# Altium PCB PCB1.PcbDoc (part 1 of 2) (continued)
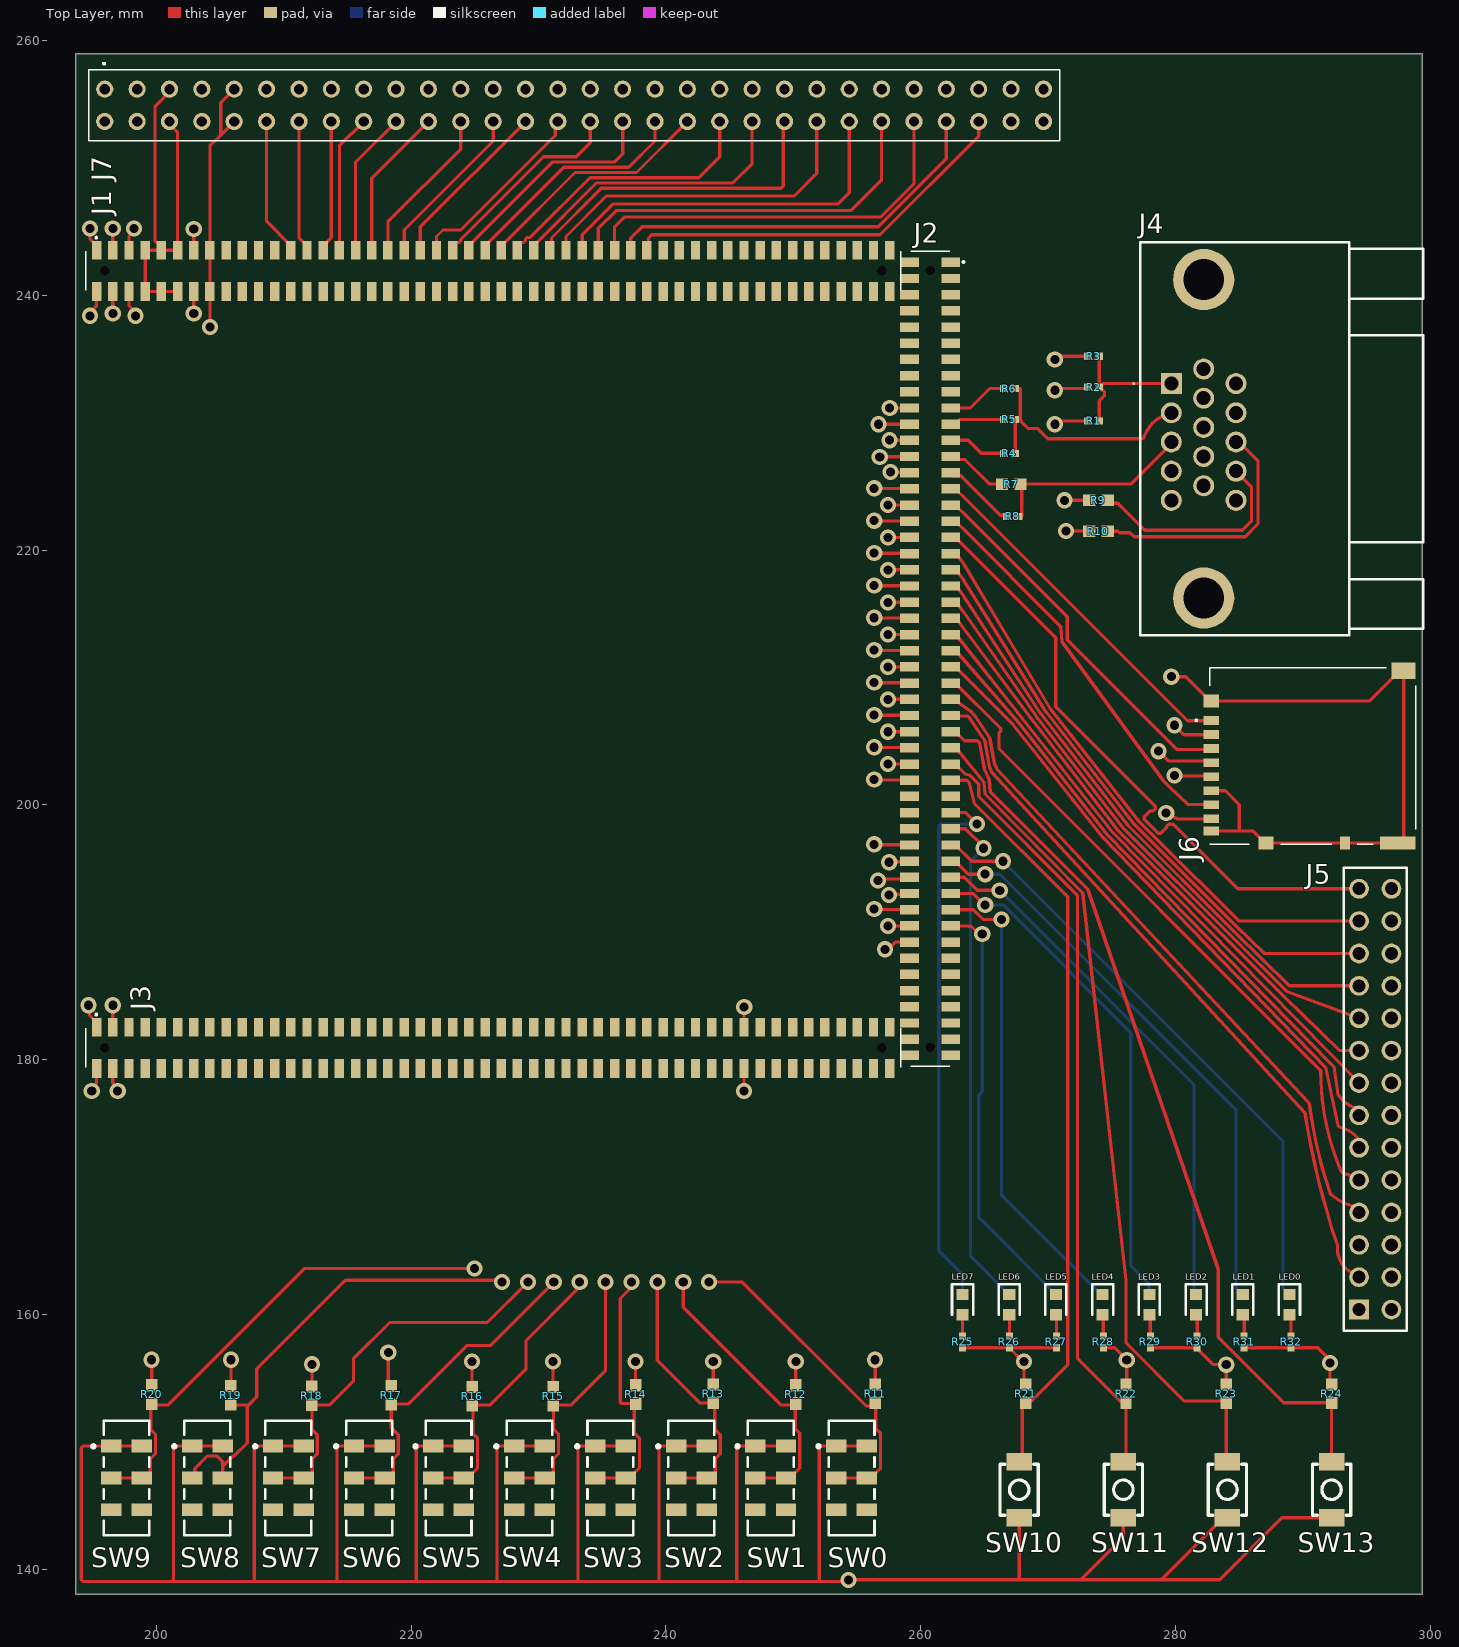
[diagram p0: Top Layer view]
## Design rules (kind name [scope] priority, off if disabled: settings)
Clearance [All] p1: gap=0.15 ignorepadtopadclearanceinfootprint=TRUE except(0.16: Arc-Arc Arc-Track Track-Track)
ComponentClearance [All] p1: gap=1.5 collisioncheckmode=3 verticalgap=1.5 showdistances=FALSE
PolygonConnect [All] p1: connectstyle=Relief reliefconductorwidth=0.254 reliefentries=4 polygonreliefangle="90 Angle" airgapwidth=0.254
RoutingVias [All] p1: holewidth=0.711 width=1.27 viastyle="Through Hole" minholewidth=0.711 minwidth=1.27 maxholewidth=0.711 maxwidth=1.27
SolderMaskExpansion [All] p1: expansion=0.102 istentingtop=FALSE
SupplyNets "Schematic Supply Nets_2" [InNet('VDD12')] p1: voltage=0.000
SupplyNets "Schematic Supply Nets_1" [InNet('VDD3.3')] p2: voltage=0.000
SupplyNets "Schematic Supply Nets" [InNet('GND')] p3: voltage=0.000
Width [All] p1: maxlimit=0.254 minlimit=0.254 preferedwidth=0.254
29 further rules are at their usual default settings.

## Classes and differential pairs
component class TS-1185-B-A-B-A1_TS-1185-B-A-B-A: SW?
component class BOARD_GPIO: J5 J7
component class SWITCHES: LED0 LED1 LED2 LED3 LED4 LED5 LED6 LED7 R11 R12 R13 R14 R15 R16 R17 R18 R19 R20 R21 R22 R23 R24 R25 R26 R27 R28 R29 R30 R31 R32 SW0 SW1 SW2 SW3 SW4 SW5 SW6 SW7 SW8 SW9 SW10 SW11 SW12 SW13
component class MICROSD: J6
component class VGA: J4 R1 R2 R3 R4 R5 R6 R7 R8 R9 R10
component class FPGA_GPIO: J1 J2 J3

## Components (designator, comment, footprint, x,y, rotation, side; value= is the part's Value field where it differs from the comment)
J1 "CLP-150-02-L-D-A" CLP-150-02-XXX-D-A#1 226.441,241.899 r180 top
J2 "CLP-150-02-L-D-A" CLP-150-02-XXX-D-A#2 260.731,211.46 r90 top
J3 "CLP-150-02-L-D-A" CLP-150-02-XXX-D-A#2 226.441,180.939 r180 top
J4 "L77HDE15SD1CH4FVGA" L77HDE15SD1CH4FVGA 279.654,233.057 r90 top
J5 "SSQ-114-01-G-D" SMTC-SSQ-114-01-X-D 294.386,160.401 r90 top
J6 "DM3AT-SF-PEJM5" DM3ATSFPEJM5 290.195,203.835 r90 top
J7 "CES-130-02-T-D" CES-130-XX-X-D 195.961,256.159 r180 top
LED0 "LTST-C190KRKT" LEDC1608X80N 288.925,160.782 r270 top
LED1 "LTST-C190KRKT" LEDC1608X80N 285.26,160.782 r270 top
LED2 "LTST-C190KRKT" LEDC1608X80N 281.595,160.782 r270 top
LED3 "LTST-C190KRKT" LEDC1608X80N 277.93,160.782 r270 top
LED4 "LTST-C190KRKT" LEDC1608X80N 274.266,160.782 r270 top
LED5 "LTST-C190KRKT" LEDC1608X80N 270.601,160.782 r270 top
LED6 "LTST-C190KRKT" LEDC1608X80N 266.936,160.782 r270 top
LED7 "LTST-C190KRKT" LEDC1608X80N 263.271,160.782 r270 top
R1 "0402WGF2001TCE" RES-0402 273.558,230.124 r0 top
R2 "0402WGF1001TCE" RES-0402 273.558,232.791 r0 top
R3 "0402WGF5100TCE" RES-0402 273.558,235.204 r0 top
R4 "0402WGF2001TCE" RES-0402 266.954,227.584 r0 top
R5 "0402WGF1001TCE" RES-0402 266.954,230.251 r0 top
R6 "0402WGF5100TCE" RES-0402 266.954,232.664 r0 top
R7 "0603WAF8200T5E" RES-0603 267.081,225.171 r0 top
R8 "0402WGF5100TCE" RES-0402 267.208,222.631 r0 top
R9 "0603WAF470JT5E" RES-0603 273.939,223.901 r0 top
R10 "0603WAF470JT5E" RES-0603 273.939,221.488 r0 top
R11 "0603WAF1002T5E" RES-0603 256.413,153.797 r90 top
R12 "0603WAF1002T5E" RES-0603 250.19,153.738 r90 top
R13 "0603WAF1002T5E" RES-0603 243.713,153.797 r90 top
R14 "0603WAF1002T5E" RES-0603 237.617,153.738 r90 top
R15 "0603WAF1002T5E" RES-0603 231.14,153.611 r90 top
R16 "0603WAF1002T5E" RES-0603 224.79,153.611 r90 top
R17 "0603WAF1002T5E" RES-0603 218.44,153.67 r90 top
R18 "0603WAF1002T5E" RES-0603 212.217,153.633 r90 top
R19 "0603WAF1002T5E" RES-0603 205.867,153.67 r90 top
R20 "0603WAF1002T5E" RES-0603 199.644,153.738 r90 top
R21 "0603WAF1002T5E" RES-0603 268.224,153.797 r90 top
R22 "0603WAF1002T5E" RES-0603 276.098,153.797 r90 top
R23 "0603WAF1002T5E" RES-0603 283.972,153.797 r90 top
R24 "0603WAF1002T5E" RES-0603 292.227,153.797 r90 top
R25 "0402WGF2000TCE" RES-0402 263.271,157.861 r90 top
R26 "0402WGF2000TCE" RES-0402 266.954,157.861 r90 top
R27 "0402WGF2000TCE" RES-0402 270.637,157.861 r90 top
R28 "0402WGF2000TCE" RES-0402 274.32,157.861 r90 top
R29 "0402WGF2000TCE" RES-0402 278.003,157.861 r90 top
R30 "0402WGF2000TCE" RES-0402 281.686,157.861 r90 top
R31 "0402WGF2000TCE" RES-0402 285.369,157.861 r90 top
R32 "0402WGF2000TCE" RES-0402 289.052,157.861 r90 top
SW0 "JS202011JCQN" FP-JS202011JCQN-MFG 254.565,147.193 r270 top
SW1 "JS202011JCQN" FP-JS202011JCQN-MFG 248.215,147.193 r270 top
SW2 "JS202011JCQN" FP-JS202011JCQN-MFG 241.992,147.193 r270 top
SW3 "JS202011JCQN" FP-JS202011JCQN-MFG 235.642,147.193 r270 top
SW4 "JS202011JCQN" FP-JS202011JCQN-MFG 229.292,147.193 r270 top
SW5 "JS202011JCQN" FP-JS202011JCQN-MFG 222.942,147.193 r270 top
SW6 "JS202011JCQN" FP-JS202011JCQN-MFG 216.719,147.193 r270 top
SW7 "JS202011JCQN" FP-JS202011JCQN-MFG 210.369,147.193 r270 top
SW8 "JS202011JCQN" FP-JS202011JCQN-MFG 204.019,147.193 r270 top
SW9 "JS202011JCQN" FP-JS202011JCQN-MFG 197.669,147.193 r270 top
SW10 "TS-1185-B-A-B-A" TS-1185-B-A-B-A 284.897,132.212 r90 top
SW11 "TS-1185-B-A-B-A" TS-1185-B-A-B-A 293.067,132.212 r90 top
SW12 "TS-1185-B-A-B-A" TS-1185-B-A-B-A 301.238,132.212 r90 top
SW13 "TS-1185-B-A-B-A" TS-1185-B-A-B-A 309.408,132.212 r90 top

## Footprints (in the part's own frame and the unit in brackets; to place one, negate y for a bottom-side part, rotate by r counter-clockwise, add the part's x,y. Pads: shape width x height; smd on the part's side, far side on the other; paste and mask are expansions set on the pad)
CES-130-XX-X-D [mm]
  round 1.35 hole 0.81: 1(0,0) 2(0,2.54) 3(-2.54,0) 4(-2.54,2.54) 5(-5.08,0) 6(-5.08,2.54) 7(-7.62,0) 8(-7.62,2.54) 9(-10.16,0) 10(-10.16,2.54) 11(-12.7,0) 12(-12.7,2.54) 13(-15.24,0) 14(-15.24,2.54) 15(-17.78,0) 16(-17.78,2.54) 17(-20.32,0) 18(-20.32,2.54) 19(-22.86,0) 20(-22.86,2.54) 21(-25.4,0) 22(-25.4,2.54) 23(-27.94,0) 24(-27.94,2.54) 25(-30.48,0) 26(-30.48,2.54) 27(-33.02,0) 28(-33.02,2.54) 29(-35.56,0) 30(-35.56,2.54) 31(-38.1,0) 32(-38.1,2.54) 33(-40.64,0) 34(-40.64,2.54) 35(-43.18,0) 36(-43.18,2.54) 37(-45.72,0) 38(-45.72,2.54) 39(-48.26,0) 40(-48.26,2.54) 41(-50.8,0) 42(-50.8,2.54) 43(-53.34,0) 44(-53.34,2.54) 45(-55.88,0) 46(-55.88,2.54) 47(-58.42,0) 48(-58.42,2.54) 49(-60.96,0) 50(-60.96,2.54) 51(-63.5,0) 52(-63.5,2.54) 53(-66.04,0) 54(-66.04,2.54) 55(-68.58,0) 56(-68.58,2.54) 57(-71.12,0) 58(-71.12,2.54) 59(-73.66,0) 60(-73.66,2.54)
  silkscreen extent -74.93,-2.05 1.27,4.07, body extent -74.88,-1.61 1.32,3.97, height 4.02
CLP-150-02-XXX-D-A#1 [mm]
  rect 0.74x1.47 smd: 1(31.115,-1.615) 2(31.115,1.615) 3(29.845,-1.615) 4(29.845,1.615) 5(28.575,-1.615) 6(28.575,1.615) 7(27.305,-1.615) 8(27.305,1.615) 9(26.035,-1.615) 10(26.035,1.615) 11(24.765,-1.615) 12(24.765,1.615) 13(23.495,-1.615) 14(23.495,1.615) 15(22.225,-1.615) 16(22.225,1.615) 17(20.955,-1.615) 18(20.955,1.615) 19(19.685,-1.615) 20(19.685,1.615) 21(18.415,-1.615) 22(18.415,1.615) 23(17.145,-1.615) 24(17.145,1.615) 25(15.875,-1.615) 27(14.605,-1.615) 29(13.335,-1.615) 31(12.065,-1.615) 33(10.795,-1.615) 35(9.525,-1.615) 37(8.255,-1.615) 39(6.985,-1.615) 41(5.715,-1.615) 43(4.445,-1.615) 45(3.175,-1.615) 47(1.905,-1.615) 49(0.635,-1.615) 51(-0.635,-1.615) 53(-1.905,-1.615) 55(-3.175,-1.615) 57(-4.445,-1.615) 59(-5.715,-1.615) 61(-6.985,-1.615) 63(-8.255,-1.615) 65(-9.525,-1.615) 67(-10.795,-1.615) 69(-12.065,-1.615) 71(-13.335,-1.615) 72(-13.335,1.615) 73(-14.605,-1.615) 74(-14.605,1.615) 75(-15.875,-1.615) 76(-15.875,1.615) 77(-17.145,-1.615) 78(-17.145,1.615) 79(-18.415,-1.615) 80(-18.415,1.615) 81(-19.685,-1.615) 82(-19.685,1.615) 83(-20.955,-1.615) 84(-20.955,1.615) 85(-22.225,-1.615) 86(-22.225,1.615) 87(-23.495,-1.615) 88(-23.495,1.615) 89(-24.765,-1.615) 90(-24.765,1.615) 91(-26.035,-1.615) 92(-26.035,1.615) 93(-27.305,-1.615) 94(-27.305,1.615) 95(-28.575,-1.615) 96(-28.575,1.615) 97(-29.845,-1.615) 98(-29.845,1.615) 99(-31.115,-1.615) 100(-31.115,1.615)
  rect 0.74x1.47 all layers, no hole: 26(15.875,1.615) 28(14.605,1.615) 30(13.335,1.615) 32(12.065,1.615) 34(10.795,1.615) 36(9.525,1.615) 38(8.255,1.615) 40(6.985,1.615) 42(5.715,1.615) 44(4.445,1.615) 46(3.175,1.615) 48(1.905,1.615) 50(0.635,1.615) 52(-0.635,1.615) 54(-1.905,1.615) 56(-3.175,1.615) 58(-4.445,1.615) 60(-5.715,1.615) 62(-6.985,1.615) 64(-8.255,1.615) 66(-9.525,1.615) 68(-10.795,1.615) 70(-12.065,1.615)
  round 0.37 hole 0.74 unplated: 101(30.475,0) 102(-30.475,0)
  silkscreen extent -31.96,-2.66 31.96,1.52, body extent -31.97,-2.28 31.97,2.28, height 2.47
CLP-150-02-XXX-D-A#2 [mm]
  rect 0.74x1.47 smd: 1(31.115,-1.615) 2(31.115,1.615) 3(29.845,-1.615) 4(29.845,1.615) 5(28.575,-1.615) 6(28.575,1.615) 7(27.305,-1.615) 8(27.305,1.615) 9(26.035,-1.615) 10(26.035,1.615) 11(24.765,-1.615) 12(24.765,1.615) 13(23.495,-1.615) 14(23.495,1.615) 15(22.225,-1.615) 16(22.225,1.615) 17(20.955,-1.615) 18(20.955,1.615) 19(19.685,-1.615) 20(19.685,1.615) 21(18.415,-1.615) 22(18.415,1.615) 23(17.145,-1.615) 24(17.145,1.615) 25(15.875,-1.615) 26(15.875,1.615) 27(14.605,-1.615) 28(14.605,1.615) 29(13.335,-1.615) 30(13.335,1.615) 31(12.065,-1.615) 32(12.065,1.615) 33(10.795,-1.615) 34(10.795,1.615) 35(9.525,-1.615) 36(9.525,1.615) 37(8.255,-1.615) 38(8.255,1.615) 39(6.985,-1.615) 40(6.985,1.615) 41(5.715,-1.615) 42(5.715,1.615) 43(4.445,-1.615) 44(4.445,1.615) 45(3.175,-1.615) 46(3.175,1.615) 47(1.905,-1.615) 48(1.905,1.615) 49(0.635,-1.615) 50(0.635,1.615) 51(-0.635,-1.615) 52(-0.635,1.615) 53(-1.905,-1.615) 54(-1.905,1.615) 55(-3.175,-1.615) 56(-3.175,1.615) 57(-4.445,-1.615) 58(-4.445,1.615) 59(-5.715,-1.615) 60(-5.715,1.615) 61(-6.985,-1.615) 62(-6.985,1.615) 63(-8.255,-1.615) 64(-8.255,1.615) 65(-9.525,-1.615) 66(-9.525,1.615) 67(-10.795,-1.615) 68(-10.795,1.615) 69(-12.065,-1.615) 70(-12.065,1.615) 71(-13.335,-1.615) 72(-13.335,1.615) 73(-14.605,-1.615) 74(-14.605,1.615) 75(-15.875,-1.615) 76(-15.875,1.615) 77(-17.145,-1.615) 78(-17.145,1.615) 79(-18.415,-1.615) 80(-18.415,1.615) 81(-19.685,-1.615) 82(-19.685,1.615) 83(-20.955,-1.615) 84(-20.955,1.615) 85(-22.225,-1.615) 86(-22.225,1.615) 87(-23.495,-1.615) 88(-23.495,1.615) 89(-24.765,-1.615) 90(-24.765,1.615) 91(-26.035,-1.615) 92(-26.035,1.615) 93(-27.305,-1.615) 94(-27.305,1.615) 95(-28.575,-1.615) 96(-28.575,1.615) 97(-29.845,-1.615) 98(-29.845,1.615) 99(-31.115,-1.615) 100(-31.115,1.615)
  round 0.37 hole 0.74 unplated: 101(30.475,0) 102(-30.475,0)
  silkscreen extent -31.97,-2.67 31.97,1.53, body extent -31.97,-2.28 31.97,2.28, height 2.47
DM3ATSFPEJM5 [mm]
  rect 0.7x1.2 smd: 1(2.775,7.412) 2(1.675,7.412) 3(0.575,7.412) 4(-0.525,7.412) 5(-1.625,7.412) 6(-2.725,7.412) 7(-3.825,7.412) 8(-4.925,7.412) MP2(-5.875,7.412)
  rect 1x1.2 smd: MP1(4.325,7.412) MP3(-6.825,3.112)
  rect 1x0.8 smd: MP4(-6.825,-3.087)
  rect 1x2.8 smd: MP5(-6.825,-7.237)
  rect 1.3x1.9 smd: MP6(6.675,-7.688)
  silkscreen extent -6.93,-8.64 6.93,8.64, body extent -6.98,-8.65 6.97,7.51, height 1.68
FP-JS202011JCQN-MFG [mm]
  rect 1x1.6 smd paste+0 mask+0: 1(-2.5,-1.2) 2(0,-1.2) 3(2.5,-1.2) 5(-2.5,1.2) 6(0,1.2) 7(2.5,1.2)
  silkscreen extent -4.5,-2.72 4.5,1.8, body extent -4.5,-1.8 4.5,1.8, height 5.6
L77HDE15SD1CH4FVGA [mm]
  rect 1.65x1.65 hole 1.1: 1(0,0)
  round 1.65 hole 1.1: 2(-2.29,0) 3(-4.58,0) 4(-6.87,0) 5(-9.16,0) 6(1.145,-2.54) 7(-1.145,-2.54) 8(-3.435,-2.54) 9(-5.725,-2.54) 10(-8.015,-2.54) 11(0,-5.08) 12(-2.29,-5.08) 13(-4.58,-5.08) 14(-6.87,-5.08) 15(-9.16,-5.08)
  round 4.8 hole 3.2: MH1(8.165,-2.54) MH2(-16.825,-2.54)
  silkscreen extent -19.74,-19.77 11.07,3, body extent -19.73,-19.89 11.08,2.21, height 12.48
LEDC1608X80N [mm]
  rect 0.9x0.95 all layers, no hole: 1(-0.8,0)
  rect 0.9x0.95 smd: 2(0.8,0)
  silkscreen extent -1.6,-0.82 0.8,0.82, body extent -0.83,-0.4 0.77,0.4, height 0.8
RES-0402 [mm] "Chip Resistor, 2-Leads, Body 1.00x0.50mm, IPC Medium Density"
  rect 0.6x0.55 smd: 1(-0.45,0) 2(0.45,0)
  body extent -0.55,-0.27 0.55,0.28, height 0.4
RES-0603 [mm] "Chip Resistor, 2-Leads, Body 1.60x0.80mm, IPC Medium Density"
  rect 0.95x0.9 smd: 1(-0.725,0) 2(0.725,0)
  body extent -0.85,-0.45 0.85,0.45, height 0.55
SMTC-SSQ-114-01-X-D [mm] "SQ Post Socket, 2x14 Pins, Vertical, 2.54mm Pitch, Female"
  rect 1.55x1.55 hole 1.02: 1(0,0)
  round 1.55 hole 1.02: 2(0,-2.54) 3(2.54,0) 4(2.54,-2.54) 5(5.08,0) 6(5.08,-2.54) 7(7.62,0) 8(7.62,-2.54) 9(10.16,0) 10(10.16,-2.54) 11(12.7,0) 12(12.7,-2.54) 13(15.24,0) 14(15.24,-2.54) 15(17.78,0) 16(17.78,-2.54) 17(20.32,0) 18(20.32,-2.54) 19(22.86,0) 20(22.86,-2.54) 21(25.4,0) 22(25.4,-2.54) 23(27.94,0) 24(27.94,-2.54) 25(30.48,0) 26(30.48,-2.54) 27(33.02,0) 28(33.02,-2.54)
  silkscreen extent -1.65,-3.74 34.67,1.2, body extent -1.52,-3.75 34.54,1.21, height 8.51
TS-1185-B-A-B-A [mm]
  rect 1.35x2 smd: 1(11.851,17.181) 2(16.251,17.181)
  silkscreen extent 12.05,15.68 16.05,18.68

## Part data
J1 J2 J3 J7: "Connector", Manufacturer_Name=SAMTEC
  J1 J2 J3: Datasheet Link=http://suddendocs.samtec.com/prints/erm8-xxx-xx.x-xxx-dv-xxxx-xx-mkt.pdf, Height=2.37mm, Manufacturer_Part_Number=CLP-150-02-L-D-A
  J7: Datasheet Link=http://suddendocs.samtec.com/prints/ces-1xx-xx-x-d%20-mkt.pdf, Manufacturer_Part_Number=CES-130-02-T-D
J4: "Connector", Manufacturer_Name="Amphenol Communications Solutions", Mouser Part Number=523-7HDE15SD1CH4FVGA, Arrow Part Number=L77HDE15SD1CH4FVGA, Arrow Price/Stock=https://www.arrow.com/en/products/l77hde15sd1ch4fvga/amphenol-fci?region=nac, Datasheet Link=https://cdn.amphenol-cs.com/media/wysiwyg/files/drawing/l77hde15sd1ch4fvga.pdf, Height=12.85mm, Manufacturer_Part_Number=L77HDE15SD1CH4FVGA, Mouser Price/Stock=https://www.mouser.co.uk/ProductDetail/Amphenol-Commercial-Products/L77HDE15SD1CH4FVGA?qs=ToP8pWlZ0bNtQSp9f8k5Rw%3D%3D
J5: library part CMP-1023-00305-1, "SQ Post Socket, Through-hole, Vertical, -55 to 125 degC, 2.54 mm Pitch, 28-Pin, Female, RoHS", Manufacturer=Samtec, Temperature Range="-55 to 125 degC", ComponentLink1Description="Manufacturer URL", ComponentLink1URL=http://www.samtec.com, ComponentLink2Description=Datasheet, ComponentLink2URL=http://www.samtec.com/documents/webfiles/pdf/SSQ_TH.PDF, ComponentLink3Description="Package Specification", ComponentLink3URL=http://www.samtec.com/documents/webfiles/cpdf/SSQ-1XX-XX-XXX-X-XX-XXX-XX-X-MKT.pdf, DatasheetVersion=F-214, Mounting Technology=Through-hole, Orientation=Vertical, PackageDescription="Assembly, Socket Strip .025[0.64] SQ Tail", PackageReference=SSQ-114-01-X-D, PackageVersion="BD, 6/1987", PartNumber=SSQ-114-01-G-D, Pitch="2.54 mm", RoHS=True
J6: "Connector", Manufacturer_Name=Hirose, Mouser Part Number=798-DM3AT-SF-PEJM5, Datasheet Link=https://datasheet.lcsc.com/szlcsc/Hirose-HRS-DM3AT-SF-PEJM5_C114218.pdf, Height=1.83mm, Manufacturer_Part_Number=DM3AT-SF-PEJM5, Mouser Price/Stock=https://www.mouser.co.uk/ProductDetail/Hirose-Connector/DM3AT-SF-PEJM5?qs=LZSZKJVF%252B2WTDKp%252BR7IYAQ%3D%3D
LED0 LED1 LED2 LED3 LED4 LED5 LED6 LED7: "LED", Manufacturer_Name=Lite-On, Mouser Part Number=859-LTST-C190KRKT, Arrow Part Number=LTST-C190KRKT, Arrow Price/Stock=https://www.arrow.com/en/products/ltst-c190krkt/lite-on-technology?utm_currency=USD&region=europe, Datasheet Link=https://componentsearchengine.com/Datasheets/1/LTST-C190KRKT.pdf, Height=0.8mm, Manufacturer_Part_Number=LTST-C190KRKT, Mouser Price/Stock=https://www.mouser.co.uk/ProductDetail/LITEON/LTST-C190KRKT?qs=kAD5fFa1n5VY3YYNWPC1Fg%3D%3D
R1 R4: "Resistor, 2kΩ, ±1%, 62.5mW, 50V, ±100ppm/℃, -55℃~+155℃, SMD 0402", JLCPCB Basic Part=Yes, JLCPCB Part Number=C4109, Manufacturer=Uniroyal, Package Size=0402, Power Rating=62.5mW, Resistance=2kΩ, Temperature Coefficient=±100ppm/℃, Temperature Rating=-55℃~+155℃, Tolerance=±1%, Voltage Rating=50V, Category=Resistors, ComponentLink1Description=Datasheet, ComponentLink1URL=https://wmsc.lcsc.com/wmsc/upload/file/pdf/v2/lcsc/2206010230_UNI-ROYAL-Uniroyal-Elec-0402WGF2001TCE_C4109.pdf, ComponentLink2Description="JLCPCB Part URL", ComponentLink2URL=https://jlcpcb.com/partdetail/C4109, Manufacturer Part Number=0402WGF2001TCE, Supplier 1=LCSC, Supplier Part Number 1=C4109
R2 R5: "Resistor, 1kΩ, ±1%, 62.5mW, 50V, ±100ppm/℃, -55℃~+155℃, SMD 0402", JLCPCB Basic Part=Yes, JLCPCB Part Number=C11702, Manufacturer=Uniroyal, Package Size=0402, Power Rating=62.5mW, Resistance=1kΩ, Temperature Coefficient=±100ppm/℃, Temperature Rating=-55℃~+155℃, Tolerance=±1%, Voltage Rating=50V, Category=Resistors, ComponentLink1Description=Datasheet, ComponentLink1URL=https://wmsc.lcsc.com/wmsc/upload/file/pdf/v2/lcsc/2206010216_UNI-ROYAL-Uniroyal-Elec-0402WGF1001TCE_C11702.pdf, ComponentLink2Description="JLCPCB Part URL", ComponentLink2URL=https://jlcpcb.com/partdetail/C11702, Manufacturer Part Number=0402WGF1001TCE, Supplier 1=LCSC, Supplier Part Number 1=C11702
R3 R6 R8: "Resistor, 510Ω, ±1%, 62.5mW, 50V, ±100ppm/℃, -55℃~+155℃, SMD 0402", JLCPCB Basic Part=Yes, JLCPCB Part Number=C25123, Manufacturer=Uniroyal, Package Size=0402, Power Rating=62.5mW, Resistance=510Ω, Temperature Coefficient=±100ppm/℃, Temperature Rating=-55℃~+155℃, Tolerance=±1%, Voltage Rating=50V, Category=Resistors, ComponentLink1Description=Datasheet, ComponentLink1URL=https://wmsc.lcsc.com/wmsc/upload/file/pdf/v2/lcsc/2205311900_UNI-ROYAL-Uniroyal-Elec-0402WGF5100TCE_C25123.pdf, ComponentLink2Description="JLCPCB Part URL", ComponentLink2URL=https://jlcpcb.com/partdetail/C25123, Manufacturer Part Number=0402WGF5100TCE, Supplier 1=LCSC, Supplier Part Number 1=C25123
R7: "Resistor, 820Ω, ±1%, 100mW, 75V, ±100ppm/℃, -55℃~+155℃, SMD 0603", JLCPCB Basic Part=Yes, JLCPCB Part Number=C23253, Manufacturer=Uniroyal, Package Size=0603, Power Rating=100mW, Resistance=820Ω, Temperature Coefficient=±100ppm/℃, Temperature Rating=-55℃~+155℃, Tolerance=±1%, Voltage Rating=75V, Category=Resistors, ComponentLink1Description=Datasheet, ComponentLink1URL=https://wmsc.lcsc.com/wmsc/upload/file/pdf/v2/lcsc/2206010100_UNI-ROYAL-Uniroyal-Elec-0603WAF8200T5E_C23253.pdf, ComponentLink2Description="JLCPCB Part URL", ComponentLink2URL=https://jlcpcb.com/partdetail/C23253, Manufacturer Part Number=0603WAF8200T5E, Supplier 1=LCSC, Supplier Part Number 1=C23253
R9 R10: "Resistor, 47Ω, ±1%, 100mW, 75V, ±100ppm/℃, -55℃~+155℃, SMD 0603", JLCPCB Basic Part=Yes, JLCPCB Part Number=C23182, Manufacturer=Uniroyal, Package Size=0603, Power Rating=100mW, Resistance=47Ω, Temperature Coefficient=±100ppm/℃, Temperature Rating=-55℃~+155℃, Tolerance=±1%, Voltage Rating=75V, Category=Resistors, ComponentLink1Description=Datasheet, ComponentLink1URL=https://wmsc.lcsc.com/wmsc/upload/file/pdf/v2/lcsc/2206010116_UNI-ROYAL-Uniroyal-Elec-0603WAF470JT5E_C23182.pdf, ComponentLink2Description="JLCPCB Part URL", ComponentLink2URL=https://jlcpcb.com/partdetail/C23182, Manufacturer Part Number=0603WAF470JT5E, Supplier 1=LCSC, Supplier Part Number 1=C23182
R11 R12 R13 R14 R15 R16 R17 R18 R19 R20 R21 R22 R23 R24: "Resistor, 10kΩ, ±1%, 100mW, 75V, ±100ppm/℃, -55℃~+155℃, SMD 0603", JLCPCB Basic Part=Yes, JLCPCB Part Number=C25804, Manufacturer=Uniroyal, Package Size=0603, Power Rating=100mW, Resistance=10kΩ, Temperature Coefficient=±100ppm/℃, Temperature Rating=-55℃~+155℃, Tolerance=±1%, Voltage Rating=75V, Category=Resistors, ComponentLink1Description=Datasheet, ComponentLink1URL=https://wmsc.lcsc.com/wmsc/upload/file/pdf/v2/lcsc/2206010045_UNI-ROYAL-Uniroyal-Elec-0603WAF1002T5E_C25804.pdf, ComponentLink2Description="JLCPCB Part URL", ComponentLink2URL=https://jlcpcb.com/partdetail/C25804, Manufacturer Part Number=0603WAF1002T5E, Supplier 1=LCSC, Supplier Part Number 1=C25804
R25 R26 R27 R28 R29 R30 R31 R32: "Resistor, 200Ω, ±1%, 62.5mW, 50V, ±100ppm/℃, -55℃~+155℃, SMD 0402", JLCPCB Basic Part=Yes, JLCPCB Part Number=C25087, Manufacturer=Uniroyal, Package Size=0402, Power Rating=62.5mW, Resistance=200Ω, Temperature Coefficient=±100ppm/℃, Temperature Rating=-55℃~+155℃, Tolerance=±1%, Voltage Rating=50V, Category=Resistors, ComponentLink1Description=Datasheet, ComponentLink1URL=https://wmsc.lcsc.com/wmsc/upload/file/pdf/v2/lcsc/2205311900_UNI-ROYAL-Uniroyal-Elec-0402WGF2000TCE_C25087.pdf, ComponentLink2Description="JLCPCB Part URL", ComponentLink2URL=https://jlcpcb.com/partdetail/C25087, Manufacturer Part Number=0402WGF2000TCE, Supplier 1=LCSC, Supplier Part Number 1=C25087
SW0 SW1 SW2 SW3 SW4 SW5 SW6 SW7 SW8 SW9: library part CMP-10038-000009-1, "SWITCH SLIDE DPDT 300MA 6V", Current Rating=300mA, Max Operating Temperature=85°C, Min Operating Temperature=-40°C, Voltage Rating (DC)=6V, Actuator Length=2mm, Actuator Material=Nylon, Actuator Type=Standard, Contact Material="Copper Alloy", Contact Plating=Silver, Electrical Life=5000Cycles, Mount="Surface Mount", Packaging="Cut Tape", Switch Function=On-On, Switch Travel=2mm, Throw Configuration=DPDT
SW10 SW11 SW12 SW13: Actuator/Cap Color=Black, Contact Current=50mA, Insulation Resistance=-, JLCPCB Part Class="Extended Part", LCSC Part Name="4*3*2mm 立贴 轻触开关", Manufacturer="XKB Connectivity(中国星坤)", Operating Force=160gf, Operating Temperature=-30℃~+85℃, Voltage Rating (DC)=12V, Actuator Style="Round Button", Add into BOM=yes, Circuit=SPST, Convert to PCB=yes, Datasheet=https://atta.szlcsc.com/upload/public/pdf/source/20211011/C2F26DC0AE1820400F54DBF49644F5A1.pdf, Device=TS-1185-B-A-B-A, Manufacturer Part=TS-1185-B-A-B-A, Mechanical Life=10万次, Mounting Style="Brick nogging", Strike Gundam=不带, Supplier=LCSC, Supplier Footprint=SMD, Supplier Part=C561517, Switch Height=2mm, Switch Length=4mm, Switch Width=3mm, Symbol=TS-1185-B-A-B-A, With Lamp=No

## Via types
v1: diameter 1.27, hole 0.711, Top Layer to Bottom Layer, 89 vias

## Nets (pads, with @x,y where several pads share a name; then routed paths per layer and width w, separated by ;. In a path a pad name is that pad's centre, name@x,y a point inside that pad or via, vN(x,y) a via of type N, cw(c..) or ccw(c..) an arc to the next point about the centre after c; other vN are vias at no path point)
64_L1_N: J1.40 J7.25 | length 18.8
  Mid-Layer 1 w0.254: J1.40@219.456,240.284 219.456,240.649 224.853,246.046 224.853,253.377 226.441,254.965 J7.25@226.441,256.159
64_L1_P: J1.39 J7.26 | length 13
  Top Layer w0.254: J1.39@219.456,243.514 219.456,245.108 226.441,252.093 J7.26@226.441,253.619
64_L2_N: J1.47 J7.34 | length 18
  Top Layer w0.254: J1.47@224.536,243.514 224.536,243.879 231.109,250.452 235.974,250.452 236.601,251.079 J7.34@236.601,253.619
64_L2_P: J1.48 J7.33 | length 20.9
  Mid-Layer 1 w0.254: J1.48@224.536,240.284 224.536,240.649 235.013,251.126 235.013,253.377 236.601,254.965 J7.33@236.601,256.159
64_L3_N: J1.46 J7.31 | length 20.3
  Mid-Layer 1 w0.254: J1.46@223.266,240.284 223.266,240.649 232.473,249.856 232.473,253.377 234.061,254.965 J7.31@234.061,256.159
64_L3_P: J1.45 J7.32 | length 16.2
  Top Layer w0.254: J1.45@223.266,243.514 223.266,243.879 223.509,244.122 223.74,244.122 223.889,244.271 223.889,244.364 230.391,250.866 232.959,250.866 234.061,251.968 J7.32@234.061,253.619
64_L4_N: J1.38 J7.23 | length 18.2
  Mid-Layer 1 w0.254: J1.38@218.186,240.284 218.186,240.649 222.313,244.776 222.313,253.377 223.901,254.965 J7.23@223.901,256.159
64_L4_P: J1.37 J7.24 | length 12.5
  Top Layer w0.254: J1.37@218.186,243.514 218.186,245.743 223.901,251.458 J7.24@223.901,253.619
64_L5_N: J1.49 J7.36 | length 18.6
  Top Layer w0.254: J1.49@225.806,243.514 225.806,243.879 231.965,250.038 237.084,250.038 239.141,252.095 J7.36@239.141,253.619
64_L5_P: J1.50 J7.35 | length 21.4
  Mid-Layer 1 w0.254: J1.50@225.806,240.284 225.806,240.649 237.553,252.396 237.553,253.377 239.141,254.965 J7.35@239.141,256.159
64_L6_N: J1.35 J7.22 | length 11.9
  Top Layer w0.254: J1.35@216.916,243.514 216.916,249.174 J7.22@221.361,253.619
64_L6_P: J1.36 J7.21 | length 17.7
  Mid-Layer 1 w0.254: J1.36@216.916,240.284 216.916,240.649 219.773,243.506 219.773,253.377 221.361,254.965 J7.21@221.361,256.159
64_L7_N: J1.56 J7.41 | length 24.7
  Mid-Layer 1 w0.254: J1.56@229.616,240.284 229.616,240.649 235.836,246.869 237.206,246.869 237.236,246.899 238.848,246.899 245.173,253.225 245.173,254.19 246.551,255.568 246.551,255.949 J7.41@246.761,256.159
64_L7_P: J1.55 J7.42 | length 23.5
  Top Layer w0.254: J1.55@229.616,243.514 229.616,243.879 234.533,248.796 245.24,248.796 246.761,250.317 J7.42@246.761,253.619
64_L9_N: J1.53 J7.40 | length 21.9
  Top Layer w0.254: J1.53@228.346,243.514 228.346,243.879 228.589,244.122 228.82,244.122 228.969,244.271 228.969,244.364 229.131,244.526 229.358,244.526 234.042,249.21 242.56,249.21 244.221,250.871 J7.40@244.221,253.619
64_L9_P: J1.54 J7.39 | length 23.5
  Mid-Layer 1 w0.254: J1.54@228.346,240.284 228.346,240.649 234.98,247.283 236.692,247.283 243.043,253.635 243.043,253.788 244.221,254.965 J7.39@244.221,256.159
64_L11_N: J1.58 J7.43 | length 26.8
  Mid-Layer 1 w0.254: J1.58@230.886,240.284 230.886,240.649 236.692,246.455 237.377,246.455 237.407,246.485 242.294,246.485 248.349,252.54 248.349,254.422 249.201,255.274 249.201,256.059 J7.43@249.301,256.159
64_L11_P: J1.57 J7.44 | length 26
  Top Layer w0.254: J1.57@230.886,243.514 231.019,243.647 231.019,244.481 234.92,248.382 249.017,248.382 249.196,248.561 249.196,253.514 J7.44@249.301,253.619
64_L12_N: J1.52 J7.37 | length 22.2
  Mid-Layer 1 w0.254: J1.52@227.076,240.284 227.076,240.649 233.485,247.058 233.927,247.058 240.093,253.225 240.093,253.377 241.681,254.965 J7.37@241.681,256.159
64_L12_P: J1.51 J7.38 | length 19
  Top Layer w0.254: J1.51@227.076,243.514 227.076,243.879 227.319,244.122 227.358,244.122 232.86,249.624 237.686,249.624 J7.38@241.681,253.619
64_L13_N: J1.71
64_L13_P: J1.72
64_L14_N: J1.73
64_L14_P: J1.74
64_L15_N: J1.61 J7.48 | length 29.1
  Top Layer w0.254: J1.61@233.426,243.514 233.426,244.729 235.839,247.142 253.492,247.142 254.381,248.031 J7.48@254.381,253.619
64_L15_P: J1.62 J7.47 | length 28.5
  Mid-Layer 1 w0.254: J1.62@233.426,240.284 233.426,240.649 238.434,245.657 245.226,245.657 253.203,253.635 253.203,253.788 254.381,254.965 J7.47@254.381,256.159
64_L16_N: J1.67 J7.54 | length 31.2
  Top Layer w0.254: J1.67@237.236,243.514 237.242,243.52 237.242,244.481 238.125,245.364 256.667,245.364 262.001,250.698 J7.54@262.001,253.619
64_L16_P: J1.68 J7.53 | length 32.5
  Mid-Layer 1 w0.254: J1.68@237.236,240.284 237.236,240.649 241.002,244.415 251.908,244.415 260.731,253.238 260.731,254.889 J7.53@262.001,256.159
64_L17_N: J1.66 J7.51 | length 31.1
  Mid-Layer 1 w0.254: J1.66@235.966,240.284 235.966,240.649 240.146,244.829 249.478,244.829 258.105,253.457 258.105,254.803 J7.51@259.461,256.159
64_L17_P: J1.65 J7.52 | length 31.6
  Top Layer w0.254: J1.65@235.966,243.514 235.966,245.364 236.728,246.126 256.836,246.126 259.461,248.751 J7.52@259.461,253.619
64_L18_N: J1.75
64_L18_P: J1.76
64_L19_N: J1.33 J7.20 | length 11.4
  Top Layer w0.254: J1.33@215.646,243.514 215.646,250.444 J7.20@218.821,253.619
64_L19_P: J1.34 J7.19 | length 17.2
  Mid-Layer 1 w0.254: J1.34@215.646,240.284 215.646,240.649 217.25,242.253 217.25,253.394 218.821,254.965 J7.19@218.821,256.159
64_L21_N: J1.63 J7.50 | length 30.1
  Top Layer w0.254: J1.63@234.696,243.514 234.696,245.237 236.093,246.634 254.508,246.634 256.921,249.047 J7.50@256.921,253.619
64_L21_P: J1.64 J7.49 | length 29.8
  Mid-Layer 1 w0.254: J1.64@234.696,240.284 234.696,240.649 234.939,240.892 235.05,240.892 239.401,245.243 247.352,245.243 255.333,253.225 255.333,253.377 256.921,254.965 J7.49@256.921,256.159
64_L22_N: J1.69 J7.56 | length 31.4
  Top Layer w0.254: J1.69@238.506,243.514 238.639,243.647 238.639,244.481 238.887,244.729 256.794,244.729 264.541,252.476 J7.56@264.541,253.619
64_L22_P: J1.70 J7.55 | length 33.5
  Mid-Layer 1 w0.254: J1.70@238.506,240.284 242.062,243.84 252.222,243.84 258.699,250.317 260.299,250.317 263.398,253.416 263.398,255.016 J7.55@264.541,256.159
64_L23_N: J1.77
64_L23_P: J1.78
64_L24_N: J1.60 J7.45 | length 27.3
  Mid-Layer 1 w0.254: J1.60@232.156,240.284 232.156,240.649 237.578,246.071 243.1,246.071 250.253,253.225 250.253,254.571 J7.45@251.841,256.159
64_L24_P: J1.59 J7.46 | length 26.9
  Top Layer w0.254: J1.59@232.156,243.514 232.156,244.602 235.331,247.777 250.063,247.777 251.841,249.555 J7.46@251.841,253.619
65_L16_N: J1.43 J7.30 | length 14.9
  Top Layer w0.254: J1.43@221.996,243.514 221.996,244.602 222.504,245.11 223.901,245.11 231.318,252.527 231.318,253.416 J7.30@231.521,253.619
65_L16_P: J1.44 J7.29 | length 19.8
  Mid-Layer 1 w0.254: J1.44@221.996,240.284 221.996,240.649 229.933,248.586 229.933,253.377 231.521,254.965 J7.29@231.521,256.159
65_L17_N: J3.21
65_L17_P: J3.22
65_L18_N: J1.42 J7.27 | length 19.3
  Mid-Layer 1 w0.254: J1.42@220.726,240.284 220.726,240.649 227.584,247.507 227.584,254.762 J7.27@228.981,256.159
65_L18_P: J1.41 J7.28 | length 13.5
  Top Layer w0.254: J1.41@220.726,243.514 220.726,245.364 J7.28@228.981,253.619
65_L20_N: J3.55
65_L20_P: J3.56
65_L21_N: J1.32 J7.17 | length 16.7
  Mid-Layer 1 w0.254: J1.32@214.376,240.284 214.376,240.649 215.329,241.602 215.329,254.013 216.281,254.965 J7.17@216.281,256.159
65_L21_P: J1.31 J7.18 | length 10.9
  Top Layer w0.254: J1.31@214.376,243.514 214.376,251.714 J7.18@216.281,253.619
65_L22_N: J1.30 J7.15 | length 16.4
  Mid-Layer 1 w0.254: J1.30@213.106,240.284 213.106,240.649 212.789,240.966 212.789,254.013 213.741,254.965 J7.15@213.741,256.159
65_L22_P: J1.29 J7.16 | length 10.4
  Top Layer w0.254: J1.29@213.106,243.514 213.106,243.879 213.741,244.514 J7.16@213.741,253.619
65_L23_N: J3.62
65_L23_P: J3.61
65_L24_N: J3.33
65_L24_P: J3.34
66_L5_N: J3.43
66_L5_P: J3.44
66_L8_N: J1.26 J7.11 | length 16.7
  Mid-Layer 1 w0.254: J7.11@208.661,256.159 208.661,254.965 209.835,253.791 209.835,248.156 210.566,247.425 J1.26@210.566,240.284
66_L8_P: J1.25 J7.12 | length 10.9
  Top Layer w0.254: J7.12@208.661,253.619 208.661,245.784 210.566,243.879 J1.25@210.566,243.514
66_L9_N: J3.23
66_L9_P: J3.24
66_L10_N: J1.28 J7.13 | length 16.9
  Mid-Layer 1 w0.254: J7.13@211.201,256.159 211.201,255.02 210.249,254.068 210.249,249.237 211.836,247.65 J1.28@211.836,240.284
66_L10_P: J1.27 J7.14 | length 10.4
  Top Layer w0.254: J7.14@211.201,253.619 211.201,244.514 211.836,243.879 J1.27@211.836,243.514
66_L15_N: J3.25
66_L15_P: J3.26
66_L17_N: J3.28
66_L17_P: J3.27
67_L1_N: J3.80
67_L1_P: J3.79
67_L2_N: J3.70
67_L2_P: J3.69
67_L3_N: J3.78
67_L3_P: J3.77
67_L4_N: J3.57
67_L4_P: J3.58
67_L5_N: J3.72
67_L5_P: J3.71
67_L6_N: J3.68
67_L6_P: J3.67
67_L7_N: J3.76
67_L7_P: J3.75
67_L9_N: J3.41
67_L9_P: J3.42
67_L10_N: J3.45
67_L10_P: J3.46
67_L12_N: J3.53
67_L12_P: J3.54
67_L13_N: J3.51
67_L13_P: J3.52
67_L14_N: J3.49
67_L14_P: J3.50
67_L15_N: J3.66
67_L15_P: J3.65
67_L16_N: J3.60
67_L16_P: J3.59
67_L17_N: J3.74
67_L17_P: J3.73
67_L18_N: J3.47
67_L18_P: J3.48
67_L19_N: J3.31
67_L19_P: J3.32
67_L20_N: J3.39
67_L20_P: J3.40
67_L22_N: J3.37
67_L22_P: J3.38
67_L23_N: J3.29
67_L23_P: J3.30
67_L24_N: J3.35
67_L24_P: J3.36
A9: J2.62 R20.1 SW9.2 SW9.6 | length 95.6
  Top Layer w0.254: SW9.2@196.469,147.193 SW9.6@198.869,147.193 199.169,147.193 199.542,147.566 199.542,148.674 199.946,149.078 199.946,150.619 199.574,150.991 199.574,152.908 200.914,152.908 211.622,163.616 v1(224.974,163.616) ; v1@256.362,204.499 J2.62@259.092,204.499
  Mid-Layer 1 w0.254: v1(224.974,163.616) 224.974,173.276 256.317,204.618 v1@256.481,204.618
  other v1: 256.338,204.522
A10: J2.64 R19.1 SW8.2 SW8.6 | length 93.7
  Top Layer w0.254: SW8.2@202.819,147.193 203.034,147.408 203.034,147.925 204.025,148.916 204.748,148.916 205.219,148.445 205.219,148.09 ; SW8.6@205.219,147.193 205.219,148.09 ; R19.1@206.044,152.654 206.298,152.908 207.253,152.908 207.899,153.554 207.899,155.752 214.851,162.704 226.989,162.704 v1(227.133,162.56) ; 207.576,153.231 207.148,152.803 207.148,149.93 206.134,148.916 206.045,148.916 205.219,148.09 ; v1@257.431,203.202 259.114,203.202 J2.64@258.949,203.038
  Mid-Layer 1 w0.254: v1(227.133,162.56) 227.985,163.412 227.985,175.407 255.778,203.2 v1(257.429,203.2)
A12: J2.81 LED4.1 | length 37
  Top Layer w0.254: J2.81@262.346,191.775 264.116,191.775 264.883,191.008 v1(266.319,191.008)
  Bottom Layer w0.254: v1(266.319,191.008) 266.319,169.418 LED4.1@274.21,161.527
A13: J2.74 R17.1 SW6.2 SW6.6 | length 73.2
  Top Layer w0.254: SW6.2@215.519,147.193 SW6.6@217.919,147.193 218.219,147.193 218.592,147.566 218.592,148.674 218.996,149.078 218.996,150.576 218.44,151.132 R17.1@218.44,152.945 218.481,152.986 219.788,152.986 224.373,157.571 226.208,157.571 v1(231.197,162.56) ; v1@256.364,196.881 J2.74@259.095,196.881
  Mid-Layer 1 w0.254: v1(231.197,162.56) 231.197,171.38 256.067,196.25 256.067,196.356 256.341,196.63 v1(256.341,196.905)
A14: J2.75 LED1.1 | length 45.2
  Top Layer w0.254: J2.75@262.346,195.585 262.711,195.585 263.732,194.564 v1(265.049,194.564)
  Bottom Layer w0.254: v1(265.049,194.564) 266.212,194.564 284.734,176.042 284.734,162.108 284.912,161.93 284.912,161.905 285.235,161.582 LED1.1@285.26,161.582
AA13: J2.31 J6.3 | length 29.5
  Top Layer w0.254: J2.31@262.346,223.525 262.711,223.525 263.23,223.006 263.239,223.006 271.49,214.755 271.49,212.975 280.122,204.343 282.716,204.343 J6.3@282.783,204.41
AA14: J2.32 J6.5 | length 35.9
  Top Layer w0.254: v1(257.429,223.52) 257.431,223.522 259.114,223.522 J2.32@259.116,223.525 ; v1(279.908,202.311) 279.959,202.26 282.733,202.26 J6.5@282.783,202.21
  Mid-Layer 1 w0.254: v1(257.429,223.52) 257.683,223.52 278.765,202.438 279.781,202.438 v1(279.908,202.311)